# KiCad board oibus-mini-CCC_PANEL.kicad_pcb (continued)
## Routing (per net, layer and track width the routed paths; a pad name or vN(x,y) marks a point on that pad's centre or on a via; arc(x,y) is an arc through that point) (continued)
  Top w0.6: v3(50.1,6.21) 51.11,6.21 ; R1#2.2 v4(65.7,7.61) ; Q3#2.2 54.36,0.81 54.56,0.61 56.8,0.7 ; 56.8,0.7 57.1,1 v1(57.1,1.61) 57.1,2.41 v1(56.5,3.01) 57.1,3.01 ; 56.8,0.7 v1(57.9,0.7) v1(59,0.7) v1(60.1,0.7) ; v1(57.1,5.01) 57.1,3.01 ; 57.1,3.01 v1(57.6,3.01) 57.5,2.91 57.5,2.72 R7#2.2 C12#2.1 ; U4#2.2 57.06,6.76 58,5.82 58,4.3 C12#2.1 ; C12#2.1 R2#2.2 ; 125.11,6.21 v3(124.1,6.21) ; v3(87.1,6.21) 88.11,6.21 ; R1#3.2 v4(102.7,7.61) ; Q3#3.2 91.36,0.81 91.56,0.61 93.8,0.7 ; 93.8,0.7 94.1,1 v1(94.1,1.61) 94.1,2.41 v1(93.5,3.01) 94.1,3.01 ; 93.8,0.7 v1(94.9,0.7) v1(96,0.7) v1(97.1,0.7) ; v1(94.1,5.01) 94.1,3.01 ; 94.1,3.01 v1(94.6,3.01) 94.5,2.91 94.5,2.72 R7#3.2 C12#3.1 ; U4#3.2 94.06,6.76 95,5.82 95,4.3 C12#3.1 ; C12#3.1 R2#3.2 ; U4#4.2 131.06,6.76 132,5.82 132,4.3 C12#4.1 ; C12#4.1 R7#4.2 131.5,2.72 131.5,2.91 v1(131.6,3.01) 131.1,3.01 ; C12#4.1 R2#4.2 ; R1#4.2 v4(139.7,7.61) ; Q3#4.2 128.36,0.81 128.56,0.61 130.8,0.7 ; 130.8,0.7 131.1,1 v1(131.1,1.61) 131.1,2.41 v1(130.5,3.01) 131.1,3.01 ; 130.8,0.7 v1(131.9,0.7) v1(133,0.7) v1(134.1,0.7) ; v1(131.1,5.01) 131.1,3.01 ; v3(161.1,6.21) 162.11,6.21 ; 167.8,0.7 v1(168.9,0.7) v1(170,0.7) v1(171.1,0.7) ; 167.8,0.7 165.56,0.61 165.36,0.81 Q3#5.2 ; 167.8,0.7 168.1,1 v1(168.1,1.61) 168.1,2.41 v1(167.5,3.01) 168.1,3.01 ; v1(168.1,5.01) 168.1,3.01 ; 168.1,3.01 v1(168.6,3.01) 168.5,2.91 168.5,2.72 R7#5.2 C12#6.1 ; U4#5.2 168.06,6.76 169,5.82 169,4.3 C12#6.1 ; C12#6.1 R2#6.2 ; R1#5.2 v4(176.7,7.61) ; v3(198.1,6.21) 199.11,6.21 ; R1#6.2 v4(213.7,7.61) ; Q3#6.2 202.36,0.81 202.56,0.61 204.8,0.7 ; 204.8,0.7 205.1,1 v1(205.1,1.61) 205.1,2.41 v1(204.5,3.01) 205.1,3.01 ; 204.8,0.7 v1(205.9,0.7) v1(207,0.7) v1(208.1,0.7) ; v1(205.1,5.01) 205.1,3.01 ; 205.1,3.01 v1(205.6,3.01) 205.5,2.91 205.5,2.72 R7#6.2 C12#5.1 ; U4#6.2 205.06,6.76 206,5.82 206,4.3 C12#5.1 ; C12#5.1 R2#5.2 ; v3(272.1,6.21) 273.11,6.21 ; R1#8.2 v4(250.7,7.61) ; Q3#8.2 239.36,0.81 239.56,0.61 241.8,0.7 ; 241.8,0.7 242.1,1 v1(242.1,1.61) 242.1,2.41 v1(241.5,3.01) 242.1,3.01 ; 241.8,0.7 v1(242.9,0.7) v1(244,0.7) v1(245.1,0.7) ; U4#8.2 242.06,6.76 243,5.82 243,4.3 C12#7.1 ; C12#7.1 R7#8.2 242.5,2.72 242.5,2.91 v1(242.6,3.01) 242.1,3.01 ; C12#7.1 R2#8.2 ; v1(242.1,5.01) 242.1,3.01 ; v3(235.1,6.21) 236.11,6.21 ; R1#7.2 v4(287.7,7.61) ; Q3#7.2 276.36,0.81 276.56,0.61 278.8,0.7 ; 278.8,0.7 279.1,1 v1(279.1,1.61) 279.1,2.41 v1(278.5,3.01) 279.1,3.01 ; 278.8,0.7 v1(279.9,0.7) v1(281,0.7) v1(282.1,0.7) ; v1(279.1,5.01) 279.1,3.01 ; 279.1,3.01 v1(279.6,3.01) 279.5,2.91 279.5,2.72 R7#7.2 C12#8.1 ; U4#7.2 279.06,6.76 280,5.82 280,4.3 C12#8.1 ; C12#8.1 R2#7.2 ; v3(87.1,72.21) 88.11,72.21 ; 51.11,72.21 v3(50.1,72.21) ; v3(13.1,72.21) 14.11,72.21 ; R1#9.2 v4(28.7,73.61) ; Q3#9.2 17.36,66.81 17.56,66.61 19.8,66.7 ; 19.8,66.7 20.1,67 v1(20.1,67.61) 20.1,68.41 v1(19.5,69.01) 20.1,69.01 ; 19.8,66.7 v1(20.9,66.7) v1(22,66.7) v1(23.1,66.7) ; v1(20.1,71.01) 20.1,69.01 ; 20.1,69.01 v1(20.6,69.01) 20.5,68.91 20.5,68.72 R7#9.2 C12#9.1 ; U4#9.2 20.06,72.76 21,71.82 21,70.3 C12#9.1 ; C12#9.1 R2#9.2 ; 93.8,66.7 v1(94.9,66.7) v1(96,66.7) v1(97.1,66.7) ; 93.8,66.7 91.56,66.61 91.36,66.81 Q3#11.2 ; 93.8,66.7 94.1,67 v1(94.1,67.61) 94.1,68.41 v1(93.5,69.01) 94.1,69.01 ; v1(94.1,71.01) 94.1,69.01 ; 94.1,69.01 v1(94.6,69.01) 94.5,68.91 94.5,68.72 R7#11.2 C12#12.1 ; U4#11.2 94.06,72.76 95,71.82 95,70.3 C12#12.1 ; C12#12.1 R2#11.2 ; R1#11.2 v4(102.7,73.61) ; v3(124.1,72.21) 125.11,72.21 ; U4#13.2 57.06,72.76 58,71.82 58,70.3 C12#13.1 ; C12#13.1 R7#13.2 57.5,68.72 57.5,68.91 v1(57.6,69.01) 57.1,69.01 ; C12#13.1 R2#12.2 ; R1#13.2 v4(65.7,73.61) ; Q3#13.2 54.36,66.81 54.56,66.61 56.8,66.7 ; 56.8,66.7 57.1,67 v1(57.1,67.61) 57.1,68.41 v1(56.5,69.01) 57.1,69.01 ; 56.8,66.7 v1(57.9,66.7) v1(59,66.7) v1(60.1,66.7) ; v1(57.1,71.01) 57.1,69.01 ; R1#12.2 v4(139.7,73.61) ; Q3#12.2 128.36,66.81 128.56,66.61 130.8,66.7 ; 130.8,66.7 131.1,67 v1(131.1,67.61) 131.1,68.41 v1(130.5,69.01) 131.1,69.01 ; 130.8,66.7 v1(131.9,66.7) v1(133,66.7) v1(134.1,66.7) ; v1(131.1,71.01) 131.1,69.01 ; 131.1,69.01 v1(131.6,69.01) 131.5,68.91 131.5,68.72 R7#12.2 C12#11.1 ; U4#12.2 131.06,72.76 132,71.82 132,70.3 C12#11.1 ; C12#11.1 R2#10.2 ; v3(198.1,72.21) 199.11,72.21 ; R1#14.2 v4(176.7,73.61) ; Q3#14.2 165.36,66.81 165.56,66.61 167.8,66.7 ; 167.8,66.7 168.1,67 v1(168.1,67.61) 168.1,68.41 v1(167.5,69.01) 168.1,69.01 ; 167.8,66.7 v1(168.9,66.7) v1(170,66.7) v1(171.1,66.7) ; U4#14.2 168.06,72.76 169,71.82 169,70.3 C12#10.1 ; C12#10.1 R7#14.2 168.5,68.72 168.5,68.91 v1(168.6,69.01) 168.1,69.01 ; C12#10.1 R2#14.2 ; v1(168.1,71.01) 168.1,69.01 ; v3(161.1,72.21) 162.11,72.21 ; R1#10.2 v4(213.7,73.61) ; Q3#10.2 202.36,66.81 202.56,66.61 204.8,66.7 ; 204.8,66.7 205.1,67 v1(205.1,67.61) 205.1,68.41 v1(204.5,69.01) 205.1,69.01 ; 204.8,66.7 v1(205.9,66.7) v1(207,66.7) v1(208.1,66.7) ; v1(205.1,71.01) 205.1,69.01 ; 205.1,69.01 v1(205.6,69.01) 205.5,68.91 205.5,68.72 R7#10.2 C12#14.1 ; R1#16.2 v4(250.7,73.61) ; Q3#16.2 239.36,66.81 239.56,66.61 241.8,66.7 ; 241.8,66.7 242.1,67 v1(242.1,67.61) 242.1,68.41 v1(241.5,69.01) 242.1,69.01 ; 241.8,66.7 v1(242.9,66.7) v1(244,66.7) v1(245.1,66.7) ; v3(272.1,72.21) 273.11,72.21 ; U4#10.2 205.06,72.76 206,71.82 206,70.3 C12#14.1 ; C12#14.1 R2#13.2 ; v3(235.1,72.21) 236.11,72.21 ; v1(242.1,71.01) 242.1,69.01 ; 242.1,69.01 v1(242.6,69.01) 242.5,68.91 242.5,68.72 R7#16.2 C12#15.1 ; U4#16.2 242.06,72.76 243,71.82 243,70.3 C12#15.1 ; C12#15.1 R2#16.2 ; R1#15.2 v4(287.7,73.61) ; Q3#15.2 276.36,66.81 276.56,66.61 278.8,66.7 ; 278.8,66.7 279.1,67 v1(279.1,67.61) 279.1,68.41 v1(278.5,69.01) 279.1,69.01 ; 278.8,66.7 v1(279.9,66.7) v1(281,66.7) v1(282.1,66.7) ; v1(279.1,71.01) 279.1,69.01 ; 279.1,69.01 v1(279.6,69.01) 279.5,68.91 279.5,68.72 R7#15.2 C12#16.1 ; U4#15.2 279.06,72.76 280,71.82 280,70.3 C12#16.1 ; C12#16.1 R2#15.2 ; R1#23.2 v4(28.7,205.61) ; Q3#23.2 17.36,198.81 17.56,198.61 19.8,198.7 ; 19.8,198.7 20.1,199 v1(20.1,199.61) 20.1,200.41 v1(19.5,201.01) 20.1,201.01 ; 19.8,198.7 v1(20.9,198.7) v1(22,198.7) v1(23.1,198.7) ; v1(20.1,203.01) 20.1,201.01 ; 20.1,201.01 v1(20.6,201.01) 20.5,200.91 20.5,200.72 R7#24.2 C12#23.1 ; U4#23.2 20.06,204.76 21,203.82 21,202.3 C12#23.1 ; C12#23.1 R2#23.2 ; v3(13.1,204.21) 14.11,204.21 ; v3(87.1,204.21) 88.11,204.21 ; 51.11,204.21 v3(50.1,204.21) ; R1#27.2 v4(102.7,205.61) ; Q3#27.2 91.36,198.81 91.56,198.61 93.8,198.7 ; 93.8,198.7 94.1,199 v1(94.1,199.61) 94.1,200.41 v1(93.5,201.01) 94.1,201.01 ; 93.8,198.7 v1(94.9,198.7) v1(96,198.7) v1(97.1,198.7) ; v3(124.1,204.21) 125.11,204.21 ; v1(94.1,203.01) 94.1,201.01 ; 94.1,201.01 v1(94.6,201.01) 94.5,200.91 94.5,200.72 R7#27.2 C12#28.1 ; U4#27.2 94.06,204.76 95,203.82 95,202.3 C12#28.1 ; C12#28.1 R2#27.2 ; U4#29.2 57.06,204.76 58,203.82 58,202.3 C12#29.1 ; C12#29.1 R7#29.2 57.5,200.72 57.5,200.91 v1(57.6,201.01) 57.1,201.01 ; C12#29.1 R2#28.2 ; R1#29.2 v4(65.7,205.61) ; Q3#29.2 54.36,198.81 54.56,198.61 56.8,198.7 ; 56.8,198.7 57.1,199 v1(57.1,199.61) 57.1,200.41 v1(56.5,201.01) 57.1,201.01 ; 56.8,198.7 v1(57.9,198.7) v1(59,198.7) v1(60.1,198.7) ; v1(57.1,203.01) 57.1,201.01 ; R1#28.2 v4(139.7,205.61) ; Q3#28.2 128.36,198.81 128.56,198.61 130.8,198.7 ; 130.8,198.7 131.1,199 v1(131.1,199.61) 131.1,200.41 v1(130.5,201.01) 131.1,201.01 ; 130.8,198.7 v1(131.9,198.7) v1(133,198.7) v1(134.1,198.7) ; v1(131.1,203.01) 131.1,201.01 ; 131.1,201.01 v1(131.6,201.01) 131.5,200.91 131.5,200.72 R7#28.2 C12#27.1 ; v3(161.1,204.21) 162.11,204.21 ; 167.8,198.7 v1(168.9,198.7) v1(170,198.7) v1(171.1,198.7) ; 167.8,198.7 165.56,198.61 165.36,198.81 Q3#30.2 ; 167.8,198.7 168.1,199 v1(168.1,199.61) 168.1,200.41 v1(167.5,201.01) 168.1,201.01 ; v1(168.1,203.01) 168.1,201.01 ; 168.1,201.01 v1(168.6,201.01) 168.5,200.91 168.5,200.72 R7#30.2 C12#26.1 ; R1#30.2 v4(176.7,205.61) ; U4#30.2 168.06,204.76 169,203.82 169,202.3 C12#26.1 ; C12#26.1 R2#30.2 ; U4#28.2 131.06,204.76 132,203.82 132,202.3 C12#27.1 ; C12#27.1 R2#26.2 ; v3(198.1,204.21) 199.11,204.21 ; v3(87.1,138.21) 88.11,138.21 ; 51.11,138.21 v3(50.1,138.21) ; v3(13.1,138.21) 14.11,138.21 ; R1#17.2 v4(28.7,139.61) ; Q3#17.2 17.36,132.81 17.56,132.61 19.8,132.7 ; 19.8,132.7 20.1,133 v1(20.1,133.61) 20.1,134.41 v1(19.5,135.01) 20.1,135.01 ; 19.8,132.7 v1(20.9,132.7) v1(22,132.7) v1(23.1,132.7) ; v1(20.1,137.01) 20.1,135.01 ; 20.1,135.01 v1(20.6,135.01) 20.5,134.91 20.5,134.72 R7#17.2 C12#17.1 ; U4#17.2 20.06,138.76 21,137.82 21,136.3 C12#17.1 ; C12#17.1 R2#17.2 ; 93.8,132.7 v1(94.9,132.7) v1(96,132.7) v1(97.1,132.7) ; 93.8,132.7 91.56,132.61 91.36,132.81 Q3#19.2 ; 93.8,132.7 94.1,133 v1(94.1,133.61) 94.1,134.41 v1(93.5,135.01) 94.1,135.01 ; v1(94.1,137.01) 94.1,135.01 ; 94.1,135.01 v1(94.6,135.01) 94.5,134.91 94.5,134.72 R7#19.2 C12#20.1 ; U4#19.2 94.06,138.76 95,137.82 95,136.3 C12#20.1 ; C12#20.1 R2#19.2 ; R1#19.2 v4(102.7,139.61) ; v3(124.1,138.21) 125.11,138.21 ; U4#21.2 57.06,138.76 58,137.82 58,136.3 C12#21.1 ; C12#21.1 R7#21.2 57.5,134.72 57.5,134.91 v1(57.6,135.01) 57.1,135.01 ; C12#21.1 R2#20.2 ; R1#21.2 v4(65.7,139.61) ; Q3#21.2 54.36,132.81 54.56,132.61 56.8,132.7 ; 56.8,132.7 57.1,133 v1(57.1,133.61) 57.1,134.41 v1(56.5,135.01) 57.1,135.01 ; 56.8,132.7 v1(57.9,132.7) v1(59,132.7) v1(60.1,132.7) ; v1(57.1,137.01) 57.1,135.01 ; R1#20.2 v4(139.7,139.61) ; Q3#20.2 128.36,132.81 128.56,132.61 130.8,132.7 ; 130.8,132.7 131.1,133 v1(131.1,133.61) 131.1,134.41 v1(130.5,135.01) 131.1,135.01 ; 130.8,132.7 v1(131.9,132.7) v1(133,132.7) v1(134.1,132.7) ; v1(131.1,137.01) 131.1,135.01 ; 131.1,135.01 v1(131.6,135.01) 131.5,134.91 131.5,134.72 R7#20.2 C12#19.1 ; U4#20.2 131.06,138.76 132,137.82 132,136.3 C12#19.1 ; C12#19.1 R2#18.2 ; v3(198.1,138.21) 199.11,138.21 ; R1#22.2 v4(176.7,139.61) ; Q3#22.2 165.36,132.81 165.56,132.61 167.8,132.7 ; 167.8,132.7 168.1,133 v1(168.1,133.61) 168.1,134.41 v1(167.5,135.01) 168.1,135.01 ; 167.8,132.7 v1(168.9,132.7) v1(170,132.7) v1(171.1,132.7) ; U4#22.2 168.06,138.76 169,137.82 169,136.3 C12#18.1 ; C12#18.1 R7#22.2 168.5,134.72 168.5,134.91 v1(168.6,135.01) 168.1,135.01 ; C12#18.1 R2#22.2 ; v1(168.1,137.01) 168.1,135.01 ; v3(161.1,138.21) 162.11,138.21 ; R1#18.2 v4(213.7,139.61) ; Q3#18.2 202.36,132.81 202.56,132.61 204.8,132.7 ; 204.8,132.7 205.1,133 v1(205.1,133.61) 205.1,134.41 v1(204.5,135.01) 205.1,135.01 ; 204.8,132.7 v1(205.9,132.7) v1(207,132.7) v1(208.1,132.7) ; v1(205.1,137.01) 205.1,135.01 ; 205.1,135.01 v1(205.6,135.01) 205.5,134.91 205.5,134.72 R7#18.2 C12#22.1 ; R1#25.2 v4(250.7,139.61) ; Q3#25.2 239.36,132.81 239.56,132.61 241.8,132.7 ; 241.8,132.7 242.1,133 v1(242.1,133.61) 242.1,134.41 v1(241.5,135.01) 242.1,135.01 ; 241.8,132.7 v1(242.9,132.7) v1(244,132.7) v1(245.1,132.7) ; v3(272.1,138.21) 273.11,138.21 ; U4#18.2 205.06,138.76 206,137.82 206,136.3 C12#22.1 ; C12#22.1 R2#21.2 ; v3(235.1,138.21) 236.11,138.21 ; v1(242.1,137.01) 242.1,135.01 ; 242.1,135.01 v1(242.6,135.01) 242.5,134.91 242.5,134.72 R7#25.2 C12#24.1 ; U4#25.2 242.06,138.76 243,137.82 243,136.3 C12#24.1 ; C12#24.1 R2#25.2 ; R1#24.2 v4(287.7,139.61) ; Q3#24.2 276.36,132.81 276.56,132.61 278.8,132.7 ; 278.8,132.7 279.1,133 v1(279.1,133.61) 279.1,134.41 v1(278.5,135.01) 279.1,135.01 ; 278.8,132.7 v1(279.9,132.7) v1(281,132.7) v1(282.1,132.7) ; v1(279.1,137.01) 279.1,135.01 ; 279.1,135.01 v1(279.6,135.01) 279.5,134.91 279.5,134.72 R7#23.2 C12#25.1 ; U4#24.2 279.06,138.76 280,137.82 280,136.3 C12#25.1 ; C12#25.1 R2#24.2 ; R1#26.2 v4(213.7,205.61) ; Q3#26.2 202.36,198.81 202.56,198.61 204.8,198.7 ; 204.8,198.7 205.1,199 v1(205.1,199.61) 205.1,200.41 v1(204.5,201.01) 205.1,201.01 ; 204.8,198.7 v1(205.9,198.7) v1(207,198.7) v1(208.1,198.7) ; v1(205.1,203.01) 205.1,201.01 ; 205.1,201.01 v1(205.6,201.01) 205.5,200.91 205.5,200.72 R7#26.2 C12#30.1 ; U4#26.2 205.06,204.76 206,203.82 206,202.3 C12#30.1 ; C12#30.1 R2#29.2 ; v3(272.1,204.21) 273.11,204.21 ; R1#32.2 v4(250.7,205.61) ; Q3#32.2 239.36,198.81 239.56,198.61 241.8,198.7 ; 241.8,198.7 242.1,199 v1(242.1,199.61) 242.1,200.41 v1(241.5,201.01) 242.1,201.01 ; 241.8,198.7 v1(242.9,198.7) v1(244,198.7) v1(245.1,198.7) ; U4#32.2 242.06,204.76 243,203.82 243,202.3 C12#31.1 ; C12#31.1 R7#32.2 242.5,200.72 242.5,200.91 v1(242.6,201.01) 242.1,201.01 ; C12#31.1 R2#32.2 ; v1(242.1,203.01) 242.1,201.01 ; v3(235.1,204.21) 236.11,204.21 ; 278.8,198.7 279.1,199 v1(279.1,199.61) 279.1,200.41 v1(278.5,201.01) 279.1,201.01 ; 278.8,198.7 v1(279.9,198.7) v1(281,198.7) v1(282.1,198.7) ; 278.8,198.7 276.56,198.61 276.36,198.81 Q3#31.2 ; v1(279.1,203.01) 279.1,201.01 ; 279.1,201.01 v1(279.6,201.01) 279.5,200.91 279.5,200.72 R7#31.2 C12#32.1 ; R1#31.2 v4(287.7,205.61) ; U4#31.2 279.06,204.76 280,203.82 280,202.3 C12#32.1 ; C12#32.1 R2#31.2 ; 20.1,3.01 v1(20.6,3.01) 20.5,2.91 20.5,2.72 R7.2 C12.1 ; 20.1,3.01 v1(20.1,5.01) ; 20.1,3.01 v1(19.5,3.01) 20.1,2.41 v1(20.1,1.61) 20.1,1 19.8,0.7 ; 19.8,0.7 17.56,0.61 17.36,0.81 Q3.2 ; 19.8,0.7 v1(20.9,0.7) v1(22,0.7) v1(23.1,0.7) ; v3(13.1,6.21) 14.11,6.21 ; C12.1 R2.2 ; C12.1 21,4.3 21,5.82 20.06,6.76 U4.2 ; R1.2 v4(28.7,7.61)
  Top w0.8: Q3#2.2 53.98,0.83 52.47,0.83 52.29,1.01 ; 126.29,1.01 126.47,0.83 127.98,0.83 Q3#4.2 ; Q3#3.2 90.98,0.83 89.47,0.83 89.29,1.01 ; Q3#5.2 164.98,0.83 163.47,0.83 163.29,1.01 ; 200.29,1.01 200.47,0.83 201.98,0.83 Q3#6.2 ; 274.29,1.01 274.47,0.83 275.98,0.83 Q3#7.2 ; Q3#8.2 238.98,0.83 237.47,0.83 237.29,1.01 ; Q3#11.2 90.98,66.83 89.47,66.83 89.29,67.01 ; 52.29,67.01 52.47,66.83 53.98,66.83 Q3#13.2 ; Q3#9.2 16.98,66.83 15.47,66.83 15.29,67.01 ; 126.29,67.01 126.47,66.83 127.98,66.83 Q3#12.2 ; 200.29,67.01 200.47,66.83 201.98,66.83 Q3#10.2 ; Q3#14.2 164.98,66.83 163.47,66.83 163.29,67.01 ; 274.29,67.01 274.47,66.83 275.98,66.83 Q3#15.2 ; Q3#16.2 238.98,66.83 237.47,66.83 237.29,67.01 ; Q3#23.2 16.98,198.83 15.47,198.83 15.29,199.01 ; Q3#27.2 90.98,198.83 89.47,198.83 89.29,199.01 ; 52.29,199.01 52.47,198.83 53.98,198.83 Q3#29.2 ; 126.29,199.01 126.47,198.83 127.98,198.83 Q3#28.2 ; Q3#30.2 164.98,198.83 163.47,198.83 163.29,199.01 ; 200.29,199.01 200.47,198.83 201.98,198.83 Q3#26.2 ; Q3#19.2 90.98,132.83 89.47,132.83 89.29,133.01 ; 52.29,133.01 52.47,132.83 53.98,132.83 Q3#21.2 ; Q3#17.2 16.98,132.83 15.47,132.83 15.29,133.01 ; 126.29,133.01 126.47,132.83 127.98,132.83 Q3#20.2 ; 200.29,133.01 200.47,132.83 201.98,132.83 Q3#18.2 ; Q3#22.2 164.98,132.83 163.47,132.83 163.29,133.01 ; 274.29,133.01 274.47,132.83 275.98,132.83 Q3#24.2 ; Q3#25.2 238.98,132.83 237.47,132.83 237.29,133.01 ; 274.29,199.01 274.47,198.83 275.98,198.83 Q3#31.2 ; Q3#32.2 238.98,198.83 237.47,198.83 237.29,199.01 ; 15.29,1.01 15.47,0.83 16.98,0.83 Q3.2
  Bottom w0.2: J2#2.6 39.2,17.11 38.39,17.91 v2(38.39,21.6) ; v2(52.98,43.45) 52.5,43.45 52.24,43.19 ; v2(65.64,37.76) 65.98,38.11 ; J2#3.6 76.2,17.11 75.39,17.91 v2(75.39,21.6) ; v2(89.98,43.45) 89.5,43.45 89.24,43.19 ; v2(102.64,37.76) 102.98,38.11 ; v2(126.98,43.45) 126.5,43.45 126.24,43.19 ; v2(112.39,21.6) 112.39,17.91 113.2,17.11 J2#4.6 ; v2(139.64,37.76) 139.98,38.11 ; v2(176.64,37.76) 176.98,38.11 ; 163.24,43.19 163.5,43.45 v2(163.98,43.45) ; v2(149.39,21.6) 149.39,17.91 150.2,17.11 J2#5.6 ; v2(200.98,43.45) 200.5,43.45 200.24,43.19 ; v2(186.39,21.6) 186.39,17.91 187.2,17.11 J2#6.6 ; v2(213.64,37.76) 213.98,38.11 ; v2(250.64,37.76) 250.98,38.11 ; 237.24,43.19 237.5,43.45 v2(237.98,43.45) ; v2(223.39,21.6) 223.39,17.91 224.2,17.11 J2#8.6 ; v2(274.98,43.45) 274.5,43.45 274.24,43.19 ; v2(260.39,21.6) 260.39,17.91 261.2,17.11 J2#7.6 ; v2(287.64,37.76) 287.98,38.11 ; J2#9.6 2.2,83.11 1.39,83.91 v2(1.39,87.6) ; v2(15.98,109.45) 15.5,109.45 15.24,109.19 ; v2(28.64,103.76) 28.98,104.11 ; v2(102.64,103.76) 102.98,104.11 ; 89.24,109.19 89.5,109.45 v2(89.98,109.45) ; v2(75.39,87.6) 75.39,83.91 76.2,83.11 J2#11.6 ; v2(52.98,109.45) 52.5,109.45 52.24,109.19 ; v2(38.39,87.6) 38.39,83.91 39.2,83.11 J2#13.6 ; v2(65.64,103.76) 65.98,104.11 ; v2(126.98,109.45) 126.5,109.45 126.24,109.19 ; v2(112.39,87.6) 112.39,83.91 113.2,83.11 J2#12.6 ; v2(139.64,103.76) 139.98,104.11 ; v2(176.64,103.76) 176.98,104.11 ; 163.24,109.19 163.5,109.45 v2(163.98,109.45) ; v2(149.39,87.6) 149.39,83.91 150.2,83.11 J2#14.6 ; v2(200.98,109.45) 200.5,109.45 200.24,109.19 ; v2(186.39,87.6) 186.39,83.91 187.2,83.11 J2#10.6 ; v2(213.64,103.76) 213.98,104.11 ; v2(274.98,109.45) 274.5,109.45 274.24,109.19 ; v2(260.39,87.6) 260.39,83.91 261.2,83.11 J2#15.6 ; v2(250.64,103.76) 250.98,104.11 ; 237.24,109.19 237.5,109.45 v2(237.98,109.45) ; v2(223.39,87.6) 223.39,83.91 224.2,83.11 J2#16.6 ; v2(287.64,103.76) 287.98,104.11 ; J2#24.6 2.2,215.11 1.39,215.91 v2(1.39,219.6) ; v2(15.98,241.45) 15.5,241.45 15.24,241.19 ; v2(28.64,235.76) 28.98,236.11 ; v2(102.64,235.76) 102.98,236.11 ; 89.24,241.19 89.5,241.45 v2(89.98,241.45) ; v2(75.39,219.6) 75.39,215.91 76.2,215.11 J2#27.6 ; v2(52.98,241.45) 52.5,241.45 52.24,241.19 ; v2(38.39,219.6) 38.39,215.91 39.2,215.11 J2#29.6 ; v2(65.64,235.76) 65.98,236.11 ; v2(126.98,241.45) 126.5,241.45 126.24,241.19 ; v2(112.39,219.6) 112.39,215.91 113.2,215.11 J2#28.6 ; v2(139.64,235.76) 139.98,236.11 ; J2#17.6 2.2,149.11 1.39,149.91 v2(1.39,153.6) ; v2(15.98,175.45) 15.5,175.45 15.24,175.19 ; v2(28.64,169.76) 28.98,170.11 ; v2(102.64,169.76) 102.98,170.11 ; 89.24,175.19 89.5,175.45 v2(89.98,175.45) ; v2(75.39,153.6) 75.39,149.91 76.2,149.11 J2#19.6 ; v2(52.98,175.45) 52.5,175.45 52.24,175.19 ; v2(38.39,153.6) 38.39,149.91 39.2,149.11 J2#21.6 ; v2(65.64,169.76) 65.98,170.11 ; v2(126.98,175.45) 126.5,175.45 126.24,175.19 ; v2(112.39,153.6) 112.39,149.91 113.2,149.11 J2#20.6 ; v2(139.64,169.76) 139.98,170.11 ; v2(176.64,169.76) 176.98,170.11 ; 163.24,175.19 163.5,175.45 v2(163.98,175.45) ; v2(149.39,153.6) 149.39,149.91 150.2,149.11 J2#22.6 ; v2(200.98,175.45) 200.5,175.45 200.24,175.19 ; v2(186.39,153.6) 186.39,149.91 187.2,149.11 J2#18.6 ; v2(213.64,169.76) 213.98,170.11 ; v2(274.98,175.45) 274.5,175.45 274.24,175.19 ; v2(260.39,153.6) 260.39,149.91 261.2,149.11 J2#23.6 ; v2(250.64,169.76) 250.98,170.11 ; 237.24,175.19 237.5,175.45 v2(237.98,175.45) ; v2(223.39,153.6) 223.39,149.91 224.2,149.11 J2#25.6 ; v2(287.64,169.76) 287.98,170.11 ; v2(186.39,219.6) 186.39,215.91 187.2,215.11 J2#26.6 ; v2(200.98,241.45) 200.5,241.45 200.24,241.19 ; v2(176.64,235.76) 176.98,236.11 ; 163.24,241.19 163.5,241.45 v2(163.98,241.45) ; v2(149.39,219.6) 149.39,215.91 150.2,215.11 J2#30.6 ; v2(213.64,235.76) 213.98,236.11 ; J2#31.6 261.2,215.11 260.39,215.91 v2(260.39,219.6) ; v2(287.64,235.76) 287.98,236.11 ; 274.24,241.19 274.5,241.45 v2(274.98,241.45) ; v2(250.64,235.76) 250.98,236.11 ; 237.24,241.19 237.5,241.45 v2(237.98,241.45) ; v2(223.39,219.6) 223.39,215.91 224.2,215.11 J2#32.6 ; v2(28.64,37.76) 28.98,38.11 ; 15.24,43.19 15.5,43.45 v2(15.98,43.45) ; v2(1.39,21.6) 1.39,17.91 2.2,17.11 J2.6
  vias: v2(35.2,240.71) v2(35.2,174.71) v2(35.2,108.71) v2(35.2,42.71) v2(72.2,240.71) v2(72.2,174.71) v2(72.2,108.71) v2(72.2,42.71) v2(109.2,240.71) v2(109.2,174.71) v2(109.2,108.71) v2(109.2,42.71) v2(146.2,240.71) v2(146.2,174.71) v2(146.2,108.71) v2(146.2,42.71) v2(183.2,240.71) v2(183.2,174.71) v2(183.2,108.71) v2(183.2,42.71) v2(220.2,240.71) v2(220.2,174.71) v2(220.2,108.71) v2(220.2,42.71) v2(257.2,240.71) v2(257.2,174.71) v2(257.2,108.71) v2(257.2,42.71) v2(294.2,240.71) v2(294.2,174.71) v2(294.2,108.71) v2(294.2,42.71)
